# KiCad board RoRo80.kicad_pcb (continued)
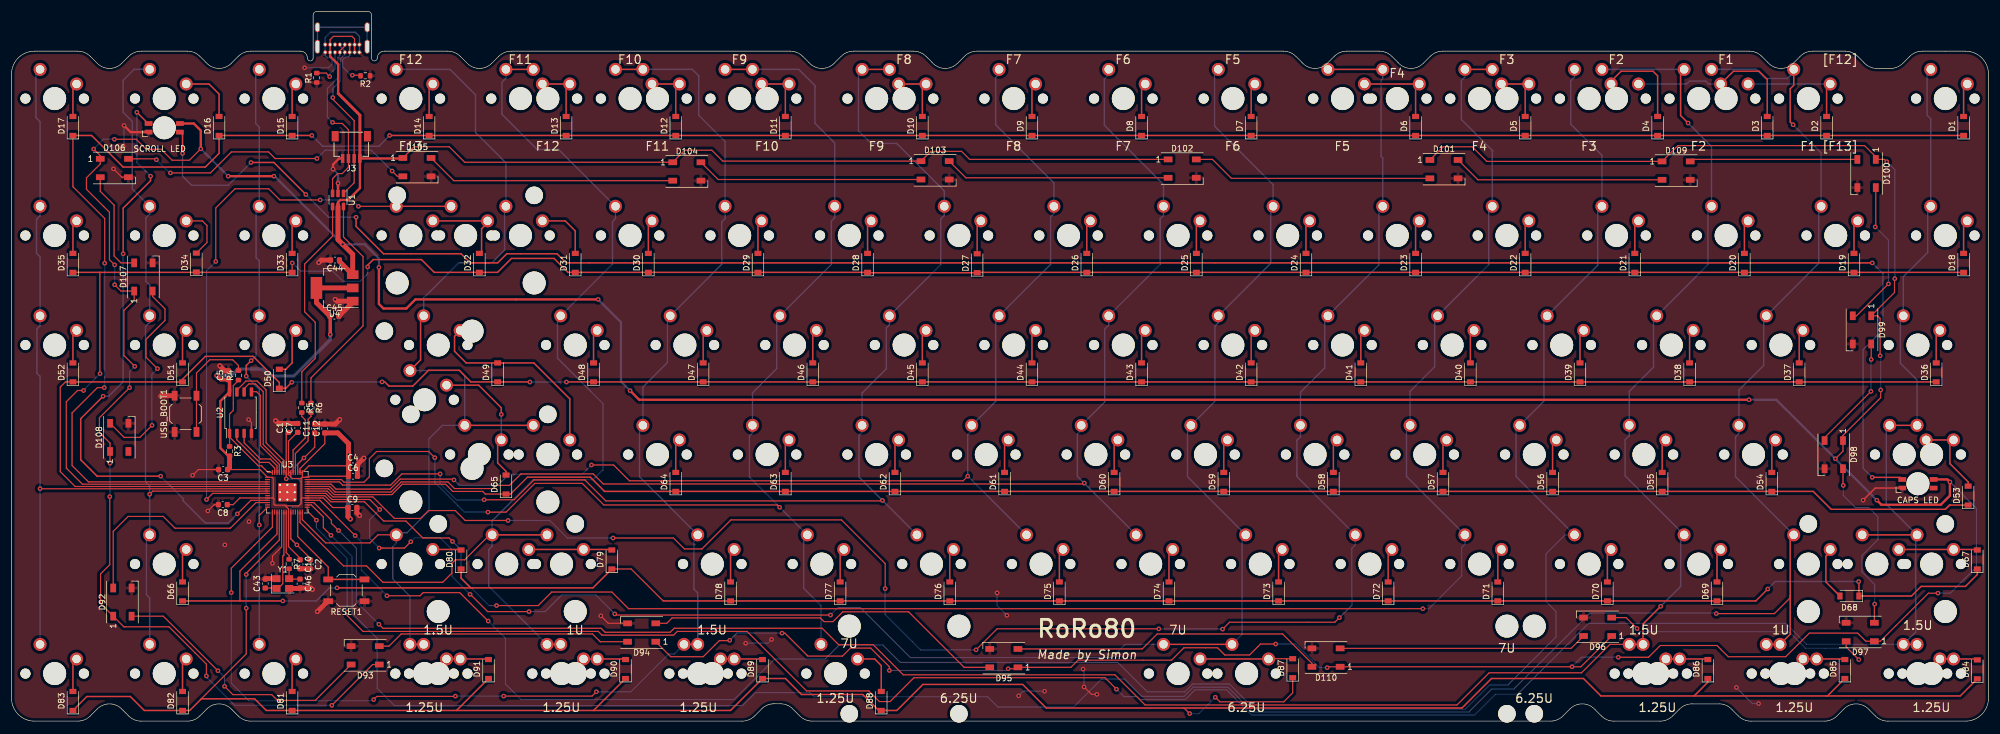
[diagram p0: board, top side]
## Routing (per net, layer and track width the routed paths; a pad name or vN(x,y) marks a point on that pad's centre or on a via; arc(x,y) is an arc through that point) (continued)
Net-(D3-Pad2): length 30.8
  Top w0.25: MX3.1 299.28,113.05 303.74,113.05 305.16,111.63 D3.2
  Bottom w0.25: MX3.1 294.96,110.82 294.45,111.33 291.65,111.33 291.14,110.82 MX3#2.1
Net-(D4-Pad2): length 16.7
  Top w0.25: MX4.1 278.01,111.3 279.76,113.05 285.31,113.05 286.11,112.25 D4.2
Net-(D5-Pad2): length 10.7
  Top w0.25: D5.2 263.09,110.19 MX5.1 MX5#2.1
Net-(D6-Pad2): length 15.4
  Top w0.25: MX6#2.1 MX6.1 244.04,110.19 D6.2
Net-(D7-Pad2): length 5.9
  Top w0.25: D7.2 215.46,110.19 MX7.1
Net-(D8-Pad2): length 5.9
  Top w0.25: MX8.1 196.41,110.19 D8.2
Net-(D9-Pad2): length 5.9
  Top w0.25: D9.2 177.36,110.19 MX9.1
Net-(D10-Pad2): length 10.7
  Top w0.25: MX10#2.1 MX10.1 158.31,110.19 D10.2
Net-(D11-Pad2): length 10.7
  Top w0.25: D11.2 134.5,110.19 MX11.1 MX11#2.1
Net-(D12-Pad2): length 10.7
  Top w0.25: MX12#2.1 MX12.1 115.45,110.19 D12.2
Net-(D13-Pad2): length 10.7
  Top w0.25: D13.2 96.4,110.19 MX13.1 MX13#2.1
Net-(D14-Pad2): length 5.9
  Top w0.25: D14.2 72.59,110.19 MX14.1
Net-(D15-Pad2): length 5.9
  Top w0.25: D15.2 48.78,110.19 MX15.1
Net-(D16-Pad2): length 10.3
  Top w0.25: D16.2 36.08,109.08 34.33,110.82 MX16.1
Net-(D17-Pad2): length 5.9
  Top w0.25: D17.2 10.68,110.19 MX17.1
Net-(D18-Pad2): length 5.9
  Top w0.25: D18.2 339.29,86.38 MX18.1
Net-(D19-Pad2): length 5.9
  Top w0.25: MX19.1 320.24,86.38 D19.2
Net-(D20-Pad2): length 5.9
  Top w0.25: MX20.1 301.19,86.38 D20.2
Net-(D21-Pad2): length 5.9
  Top w0.25: MX21.1 282.14,86.38 D21.2
Net-(D22-Pad2): length 5.9
  Top w0.25: MX22.1 263.09,86.38 D22.2
Net-(D23-Pad2): length 5.9
  Top w0.25: MX23.1 244.04,86.38 D23.2
Net-(D24-Pad2): length 5.9
  Top w0.25: D24.2 224.99,86.38 MX24.1
Net-(D25-Pad2): length 5.9
  Top w0.25: D25.2 205.94,86.38 MX25.1
Net-(D26-Pad2): length 5.9
  Top w0.25: MX26.1 186.89,86.38 D26.2
Net-(D27-Pad2): length 6
  Top w0.25: MX27.1 167.84,86.38 D27.2
Net-(D28-Pad2): length 5.9
  Top w0.25: D28.2 148.79,86.38 MX28.1
Net-(D29-Pad2): length 5.9
  Top w0.25: D29.2 129.74,86.38 MX29.1
Net-(D30-Pad2): length 5.9
  Top w0.25: D30.2 110.69,86.38 MX30.1
Net-(D31-Pad2): length 10.3
  Top w0.25: D31.2 97.99,85.26 96.24,87.01 MX31.1
Net-(D32-Pad2): length 15.8
  Top w0.25: D32.2 81.7,81.74 81.7,85.63 82.75,86.68 MX33.1 MX32.1
Net-(D33-Pad2): length 5.9
  Top w0.25: D33.2 48.78,86.38 MX34.1
Net-(D34-Pad2): length 9.5
  Top w0.2: D34.2 33.98,83.26 33.98,86.21 33.17,87.01 MX35.1
Net-(D35-Pad2): length 5.9
  Top w0.25: D35.2 10.68,86.38 MX36.1
Net-(D36-Pad2): length 5.9
  Top w0.25: MX38.1 334.53,67.33 D36.2
Net-(D37-Pad2): length 5.9
  Top w0.25: D37.2 310.71,67.33 MX39.1
Net-(D38-Pad2): length 5.9
  Top w0.25: D38.2 291.66,67.33 MX40.1
Net-(D39-Pad2): length 5.9
  Top w0.25: MX41.1 272.61,67.33 D39.2
Net-(D40-Pad2): length 5.9
  Top w0.25: D40.2 253.56,67.33 MX42.1
Net-(D41-Pad2): length 5.9
  Top w0.25: D41.2 234.51,67.33 MX43.1
Net-(D42-Pad2): length 5.9
  Top w0.25: D42.2 215.46,67.33 MX44.1
Net-(D43-Pad2): length 5.9
  Top w0.25: MX45.1 196.41,67.33 D43.2
Net-(D44-Pad2): length 5.9
  Top w0.25: MX46.1 177.36,67.33 D44.2
Net-(D45-Pad2): length 5.9
  Top w0.25: D45.2 158.31,67.33 MX47.1
Net-(D46-Pad2): length 5.9
  Top w0.25: MX48.1 139.26,67.33 D46.2
Net-(D47-Pad2): length 5.9
  Top w0.25: MX49.1 120.21,67.33 D47.2
Net-(D48-Pad2): length 5.9
  Top w0.25: MX50.1 101.16,67.33 D48.2
Net-(D49-Pad2): length 34.5
  Top w0.25: MX37.1 97.04,56.05 90.78,62.31 D49.2 79.03,62.31 77,64.33 77,66.93 77.68,67.61 77.68,67.96
Net-(D50-Pad2): length 8.6
  Top w0.25: MX52.1 48.78,67.33 48.78,62.31 47.67,61.2 D50.2
Net-(D51-Pad2): length 5.9
  Top w0.25: D51.2 29.73,67.33 MX53.1
Net-(D52-Pad2): length 5.9
  Top w0.25: MX54.1 10.68,67.33 D52.2
Net-(D53-Pad2): length 14.4
  Top w0.25: D53.2 340.08,41.61 336.91,44.78 336.91,48.28 MX55.1 MX57.1
Net-(D54-Pad2): length 5.9
  Top w0.25: MX58.1 305.95,48.28 D54.2
Net-(D55-Pad2): length 5.9
  Top w0.25: D55.2 286.9,48.28 MX59.1
Net-(D56-Pad2): length 5.9
  Top w0.25: D56.2 267.85,48.28 MX60.1
Net-(D57-Pad2): length 5.9
  Top w0.25: MX61.1 248.8,48.28 D57.2
Net-(D58-Pad2): length 5.9
  Top w0.25: D58.2 229.75,48.28 MX62.1
Net-(D59-Pad2): length 5.9
  Top w0.25: MX63.1 210.7,48.28 D59.2
Net-(D60-Pad2): length 5.9
  Top w0.25: MX64.1 191.65,48.28 D60.2
Net-(D61-Pad2): length 5.9
  Top w0.25: D61.2 172.6,48.28 MX65.1
Net-(D62-Pad2): length 5.9
  Top w0.25: MX66.1 153.55,48.28 D62.2
Net-(D63-Pad2): length 5.9
  Top w0.25: MX67.1 134.5,48.28 D63.2
Net-(D64-Pad2): length 5.9
  Top w0.25: D64.2 115.45,48.28 MX68.1
Net-(D65-Pad2): length 23.7
  Top w0.25: D65.2 85.95,43.45 84.49,44.91 84.49,48.28 MX69.1 ; v1(85.13,53.35) 85.13,54.5 81.2,58.44 MX56.1
  Bottom w0.25: v1(85.13,53.35) MX69.1
Net-(D66-Pad2): length 5.9
  Top w0.25: D66.2 29.73,29.23 MX70.1
Net-(D67-Pad2): length 13.7
  Top w0.25: MX72.1 MX71.1 341.57,29.86 D67.2
Net-(D68-Pad2): length 9.4
  Top w0.25: MX73.1 316.11,29.44 315.35,28.68 315.35,24.21 D68.2
Net-(D69-Pad2): length 5.9
  Top w0.25: MX74.1 296.43,29.23 D69.2
Net-(D70-Pad2): length 5.9
  Top w0.25: D70.2 277.38,29.23 MX75.1
Net-(D71-Pad2): length 5.9
  Top w0.25: MX76.1 258.33,29.23 D71.2
Net-(D72-Pad2): length 5.9
  Top w0.25: MX77.1 239.28,29.23 D72.2
Net-(D73-Pad2): length 5.9
  Top w0.25: D73.2 220.23,29.23 MX78.1
Net-(D74-Pad2): length 5.9
  Top w0.25: MX79.1 201.18,29.23 D74.2
Net-(D75-Pad2): length 5.9
  Top w0.25: MX80.1 182.13,29.23 D75.2
Net-(D76-Pad2): length 5.9
  Top w0.25: MX81.1 163.08,29.23 D76.2
Net-(D77-Pad2): length 5.9
  Top w0.25: D77.2 144.03,29.23 MX82.1
Net-(D78-Pad2): length 5.9
  Top w0.25: MX83.1 124.98,29.23 D78.2
Net-(D79-Pad2): length 14.5
  Top w0.25: MX86.1 MX84.1 104.24,29.86 D79.2
Net-(D80-Pad2): length 5
  Top w0.25: MX85.1 78.05,29.86 D80.2
Net-(D81-Pad2): length 5.9
  Top w0.25: D81.2 48.78,10.18 MX87.1
Net-(D82-Pad2): length 5.9
  Top w0.25: D82.2 29.73,10.18 MX88.1
Net-(D83-Pad2): length 5.9
  Top w0.25: MX89.1 10.68,10.18 D83.2
Net-(D84-Pad2): length 6.6
  Top w0.25: D84.2 341.51,10.81 MX90.1 MX98.1
Net-(D85-Pad2): length 7.3
  Top w0.25: D85.2 318.55,10.81 MX91.1 MX99.1
Net-(D86-Pad2): length 7.3
  Top w0.25: MX100.1 MX92.1 294.74,10.81 D86.2
Net-(D87-Pad2): length 16.1
  Top w0.2: D87.2 218.53,10.86 MX93.1
  Top w0.25: MX101.1 MX93.1
Net-(D88-Pad2): length 9.1
  Top w0.25: D88.2 151.17,9.66 150.02,10.81 MX94.1
Net-(D89-Pad2): length 7.3
  Top w0.25: D89.2 130.44,10.81 MX102.1 MX95.1
Net-(D90-Pad2): length 7.3
  Top w0.25: D90.2 106.62,10.81 MX103.1 MX96.1
Net-(D91-Pad2): length 7.3
  Top w0.25: D91.2 82.81,10.81 MX104.1 MX97.1
Net-(D92-Pad2): length 47.7
  Top w0.2: D93.4 52.79,3.61 46.23,3.61 45.23,4.61 38.48,4.61 v1(37.03,6.06) ; v1(35.88,8.76) 26.38,18.26 D92.2
  Bottom w0.2: v1(35.88,8.76) 37.03,7.61 v1(37.03,6.06)
Net-(D93-Pad2): length 44.6
  Top w0.2: D93.2 65.61,13.05 67.73,15.16 100.98,15.16 102.33,13.81 102.33,13.81 D94.4
Net-(D94-Pad2): length 63.4
  Top w0.2: D95.4 165.58,9.36 155.93,19.01 144.48,19.01 142.78,17.31 141.23,17.31 140.58,17.96 114.83,17.96 113.88,17.01 D94.2
Net-(D95-Pad2): length 54.9
  Top w0.2: D110.4 226.03,10.06 220.93,15.16 199.13,15.16 196.53,12.56 D95.2
Net-(D96-Pad2): length 50.1
  Top w0.2: v1(321.08,10.71) 318.88,12.91 D97.4 ; v1(282.53,16.11) 280.63,18.01 D96.2
  Bottom w0.2: v1(282.53,16.11) 283.08,15.56 308.93,15.56 311.83,12.66 319.13,12.66 v1(321.08,10.71)
Net-(D96-Pad4): length 43.2
  Top w0.2: D96.4 271.08,12.66 D110.2
Net-(D97-Pad2): length 32.7
  Top w0.2: v1(318.38,41.01) 318.33,41.06 D98.4 ; D97.2 323.78,20.31 v1(323.83,20.36)
  Bottom w0.2: v1(318.38,41.01) 318.38,39.26 320.48,37.16 322.78,37.16 324.38,35.56 324.38,31.56 321.63,28.81 321.63,25.96 323.83,23.76 v1(323.83,20.36)
Net-(D98-Pad2): length 20.2
  Top w0.2: v1(323.18,57.36) 315.13,49.31 D98.2 ; v1(323.23,62.91) D99.4
  Bottom w0.2: v1(323.18,57.36) 323.18,62.86 v1(323.23,62.91)
Net-(D100-Pad2): length 29.2
  Top w0.2: D109.4 292.13,97.71 D100.2
Net-(D100-Pad4): length 26.2
  Top w0.2: D100.4 324.03,86.06 v1(323.93,85.96) ; v1(326.23,76.06) 320.68,70.51 D99.2
  Bottom w0.2: v1(323.93,85.96) 326.23,83.66 v1(326.23,76.06)
Net-(D101-Pad2): length 42
  Top w0.2: D102.4 208.73,97.71 212.03,94.41 D101.2
Net-(D101-Pad4): length 36.9
  Top w0.2: D109.2 254.88,94.16 D101.4
Net-(D102-Pad2): length 39.3
  Top w0.2: D102.2 165.88,94.51 D103.4
Net-(D103-Pad2): length 39.5
  Top w0.2: D103.2 122.83,94.21 D104.4
Net-(D104-Pad2): length 43.6
  Top w0.2: D104.2 76.88,94.01 D105.4
Net-(D105-Pad2): length 53.2
  Top w0.2: D106.4 25.03,97.81 v1(25.18,97.66) ; v1(27.63,95.36) 34.58,95.36 38.23,99.01 44.68,99.01 45.83,97.86 v1(53.08,97.86) ; D105.2 67.08,94.76 v1(66.15,95.68)
  Bottom w0.2: v1(53.08,97.86) 54.53,99.31 62.53,99.31 v1(66.15,95.68) ; v1(25.18,97.66) 27.48,95.36 v1(27.63,95.36)
Net-(D106-Pad2): length 18.7
  Top w0.2: D107.4 19.03,79.71 17.83,80.91 17.83,89.76 15.43,92.16 D106.2
Net-(D107-Pad2): length 36.1
  Top w0.2: D108.4 19.58,49.36 22.33,49.36 v1(24.43,51.46) ; v1(25.38,61.31) 23.38,63.31 23.38,66.41 26.68,69.71 26.68,71.71 24.53,73.86 D107.2
  Bottom w0.2: v1(25.38,61.31) 24.38,60.31 24.38,51.51 v1(24.43,51.46)
Net-(J1-PadA5): length 7.1
  Top w0.2: R1.2 54.68,112.73 v1(55.3,112.1)
  Bottom w0.2: J1.A5 56.23,113.48 55.3,112.55 v1(55.3,112.1)
Net-(J1-PadA8): length 8.5
  Top w0.2: v1(59.25,112.35) 60.58,112.35 R2.2
  Top w0.25: J1.B5 J1.A8
  Bottom w0.2: v1(59.25,112.35) 59,112.35 57.55,113.8 57.55,115.04 58.07,115.55 58.55,115.55 58.8,115.8 58.78,115.83 J1.A8
Net-(LED2-Pad2): length 358.8
  Top w0.25: LED1.3 328.26,42.4 v1(323.41,42.4) ; v1(29.73,98.76) 29.73,102 LED2.2 ; v1(41.63,97.17) 45.6,97.17 v1(51.16,91.61) ; v1(323.41,79.71) 96.4,79.71 94.81,81.3 86.08,81.3 84.49,79.71 79.73,79.71 78.14,81.3 64.65,81.3 59.89,86.06 v1(59.89,87.65)
  Bottom w0.25: v1(323.41,42.4) 321.83,43.99 321.83,64.63 325.27,68.07 325.27,77.85 v1(323.41,79.71) ; v1(29.73,98.76) 29.73,94.79 31.31,93.2 37.66,93.2 v1(41.63,97.17) ; v1(51.16,91.61) 55.13,87.65 v1(59.89,87.65)
Net-(R4-Pad2): length 19.8
  Top w0.2: USB_BOOT1.2 USB_BOOT1.2 32.15,60.55 34.45,62.85 38.45,62.85 39.45,61.85 R4.2
Net-(R5-Pad2): length 11.5
  Top w0.2: U3.47 48.94,47.15 51.05,49.25 51.05,52.4 50.45,53 R5.2
Net-(R6-Pad2): length 11.5
  Top w0.2: R6.2 52.05,53 51.55,52.5 51.55,48.75 49.34,46.55 U3.46
unconnected-(J1-PadS1): length 15.4
  Bottom w0.25: J1.S1 J1.S1 J1.S1 J1.S1

## Copper pours and planes (outline as drawn; the poured copper is in the pictures)
+3V3 on Top: 48.15,36.95 47.89,37.84 45.99,37.84 45.99,42.54 45.1,42.54 45.1,36.95
+3V3 on Top: 50.69,36.95 50.69,42.41 50.05,42.41 50.05,37.33 48.91,37.33 48.53,36.95
GND on Top: 348.02,120.19 359.13,-13.16 -13.93,-15.54 -16.31,134.48
GND on Bottom: 362.31,132.89 351.19,-6.81 -6.79,-7.6 -29.01,144.8

## Text on the board
B.Silkscreen: F12 | F13 | 1.25U | 1.5U | F11 | 1U | F10 | F9 | 7U | F8 | 6.25U | F7 | F6 | F5 | F4 | F3 | F2 | F1 | [F12] | [F13]
User.Drawings: MX52 | MX53
F.Silkscreen: SCROLL LED | CAPS LED | F12 | F13 | 1.25U | 1.5U | F11 | 1U | F10 | F9 | 7U | F8 | 6.25U | F7 | F6 | F5 | F4 | F3 | F2 | F1 | [F12] | [F13] | Made by Simon | RoRo80
